# Altium PCB 0.PCB1.PcbDoc (part 1 of 12) (continued)
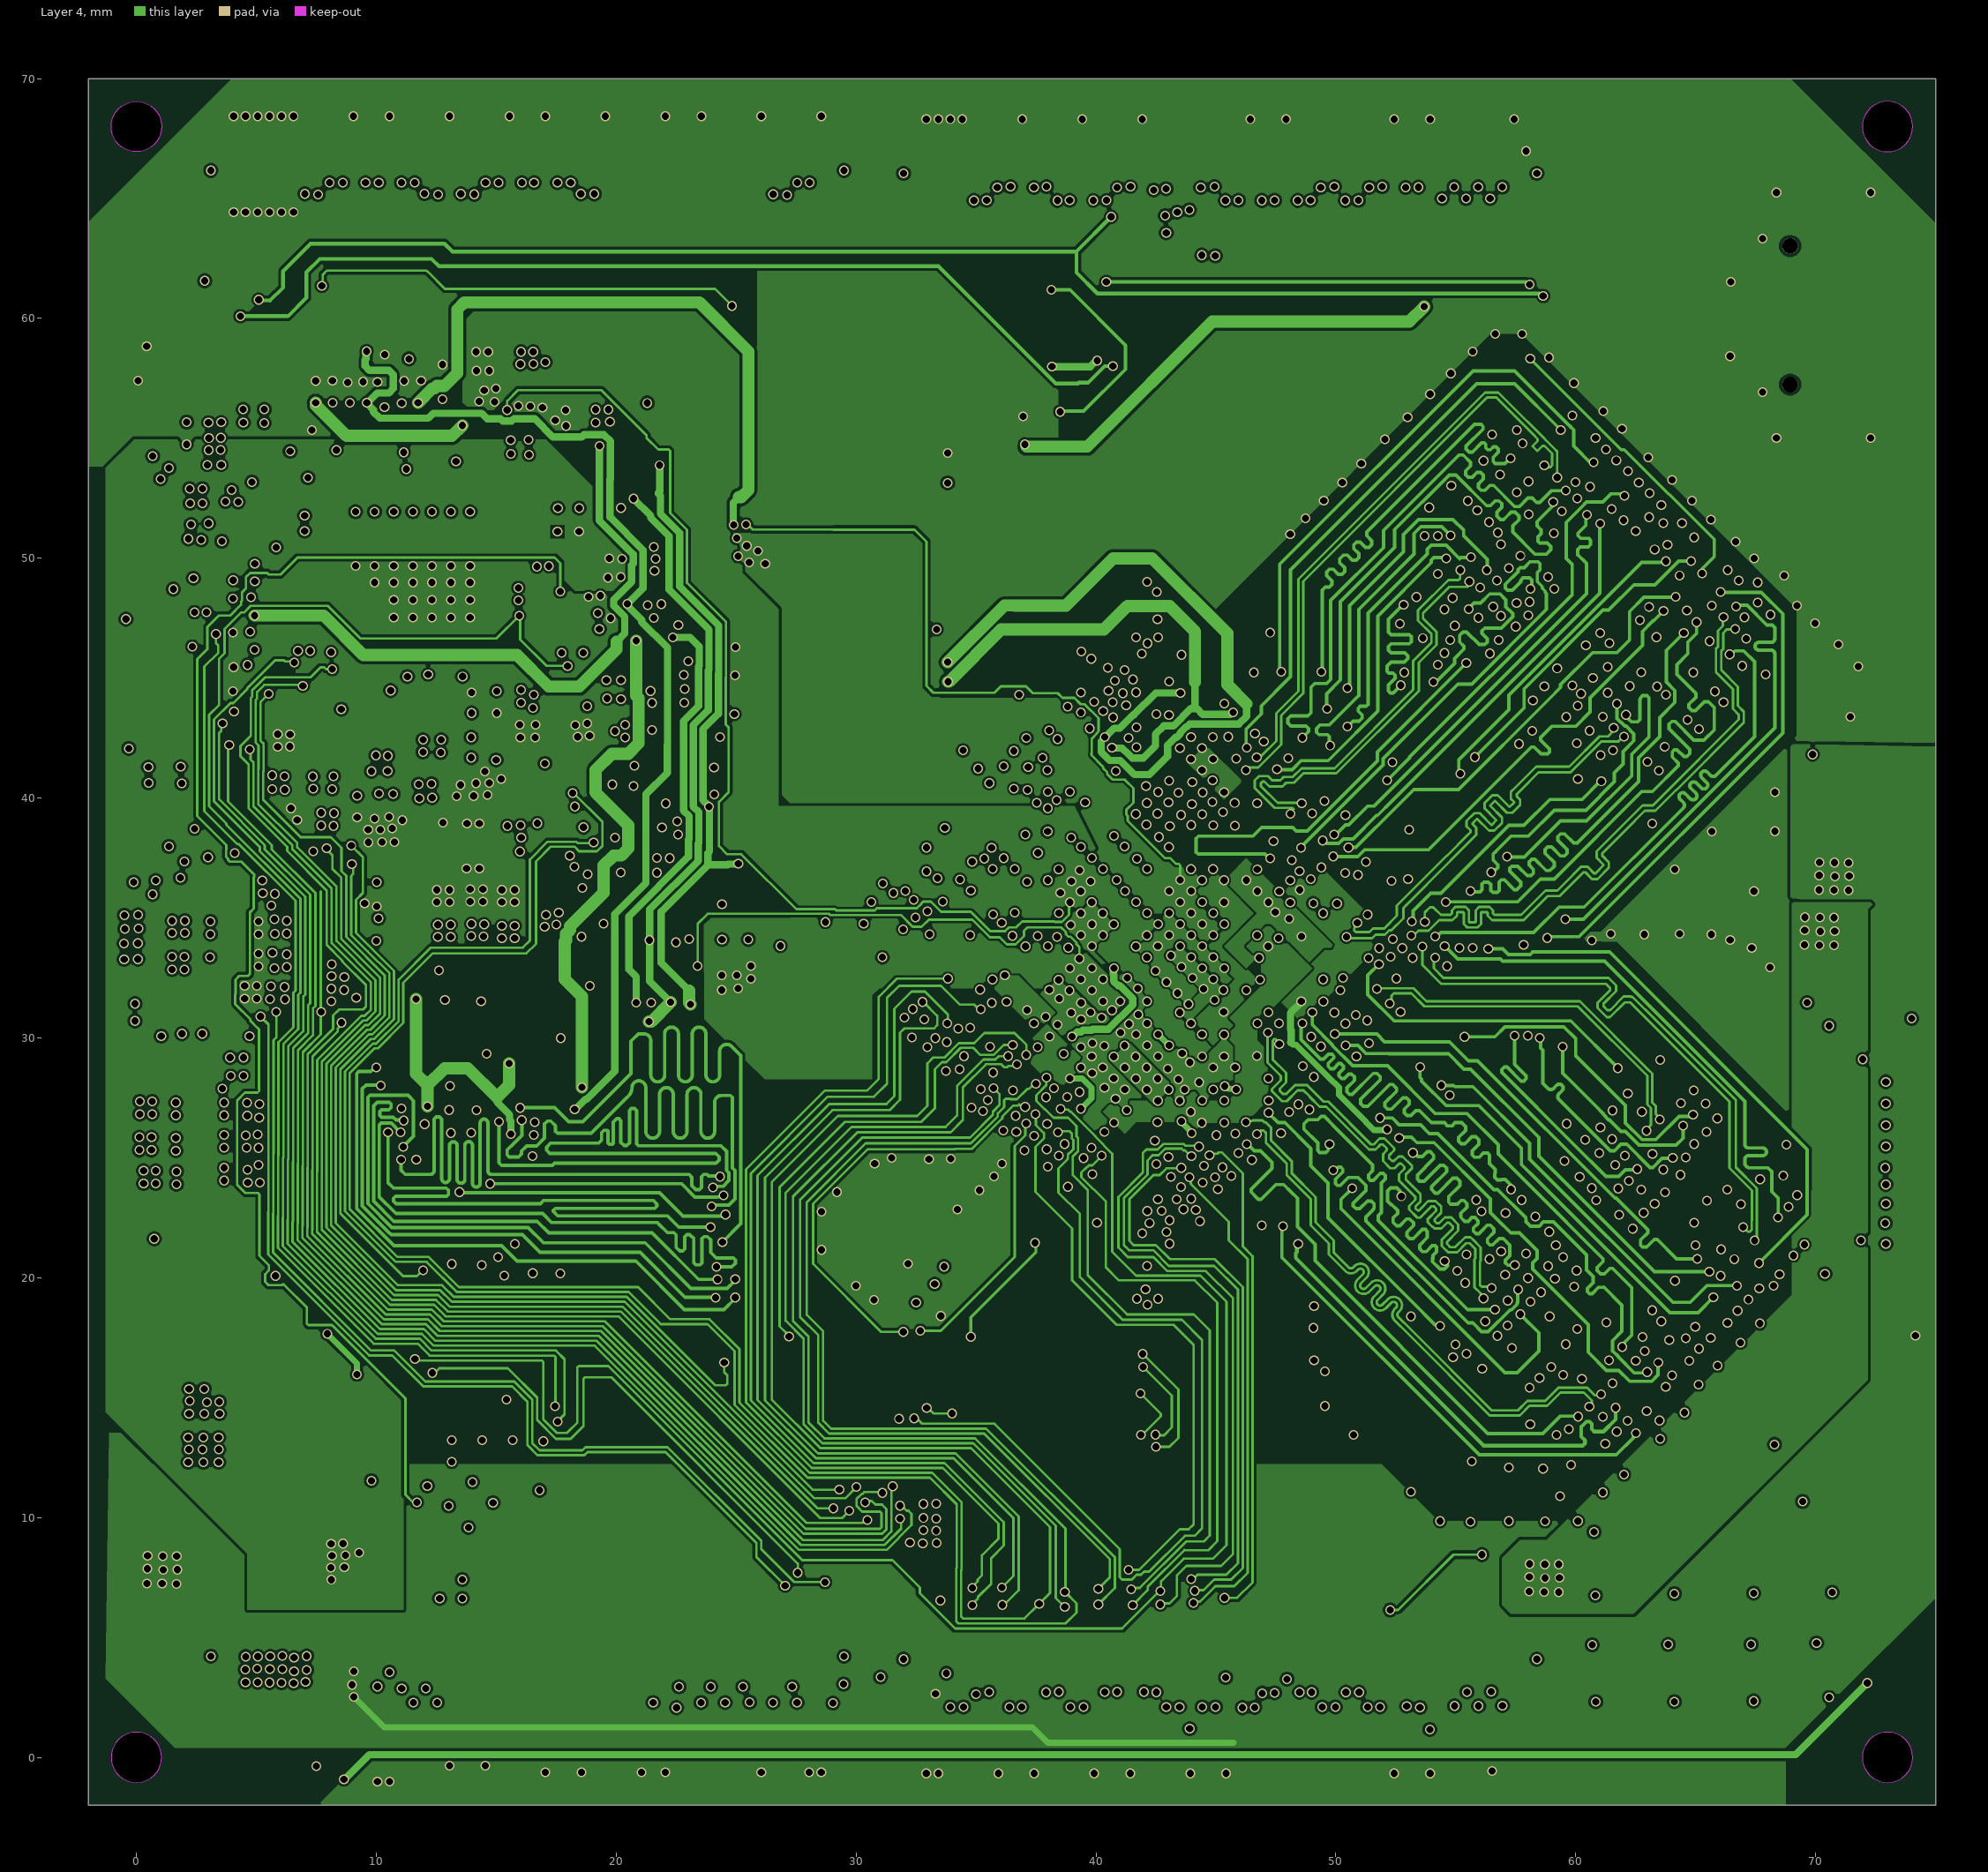
[diagram p4: Layer 4]
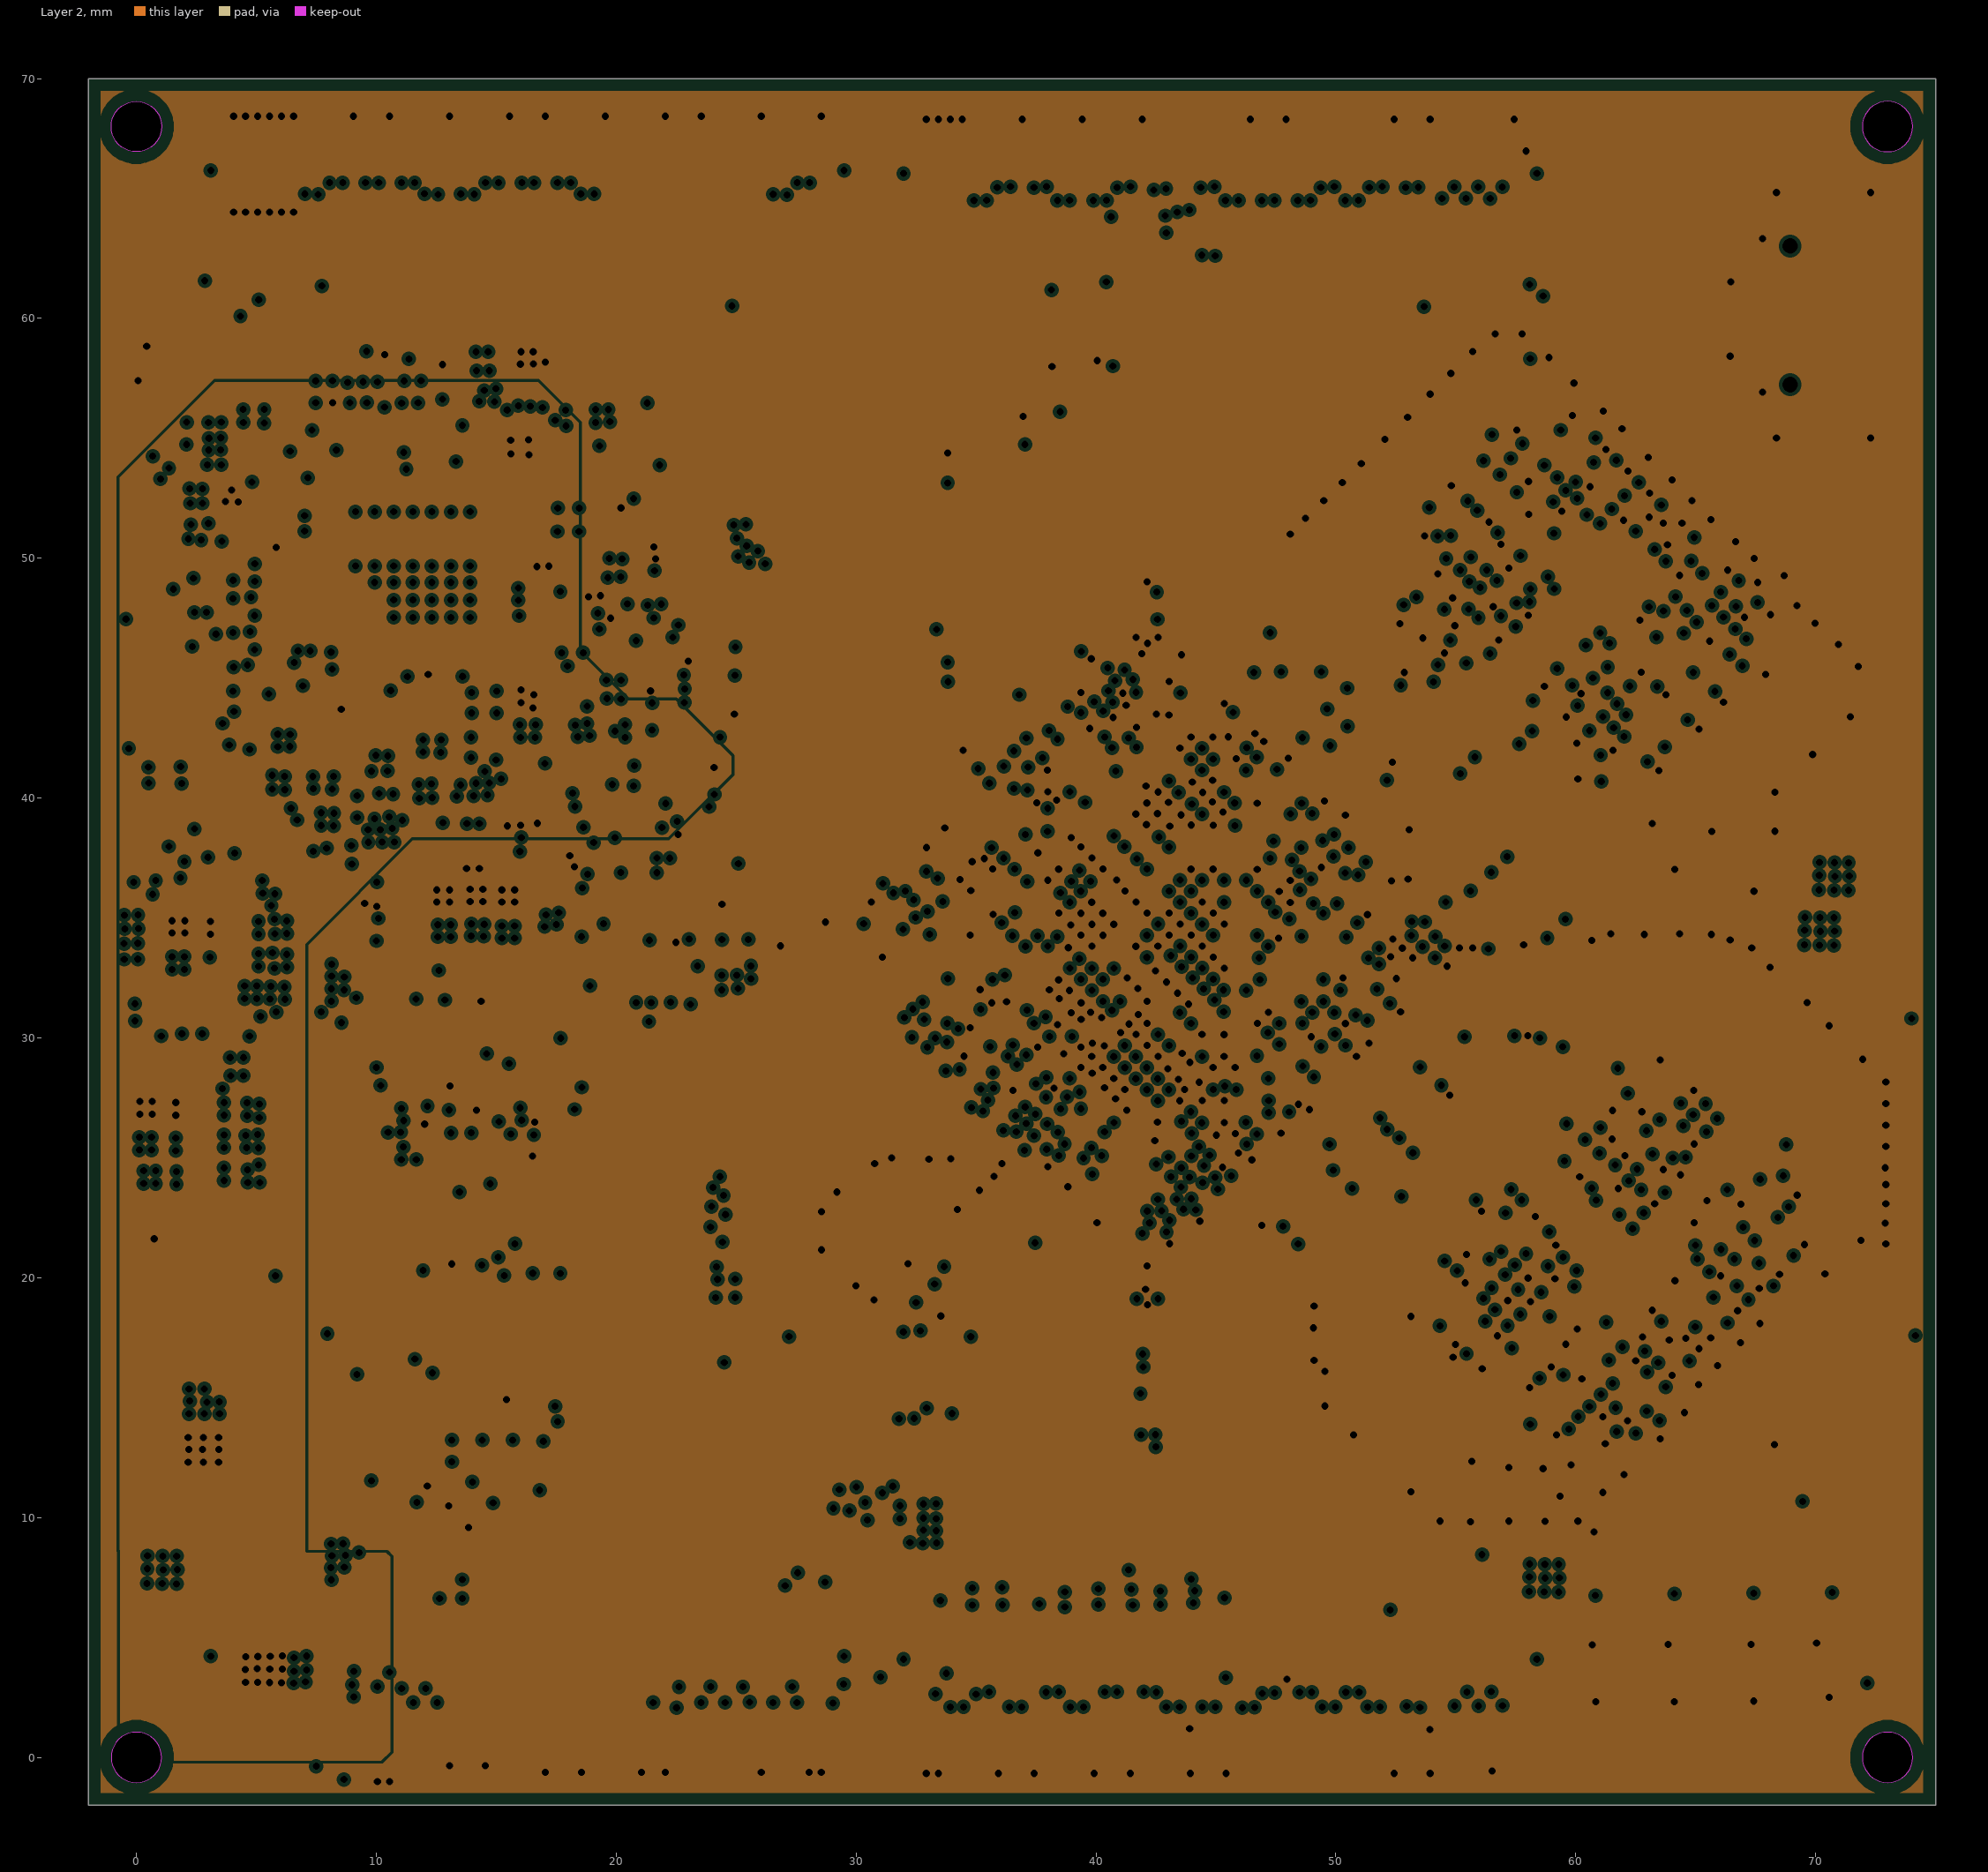
[diagram p5: Layer 2, clearances drawn from the general rule]
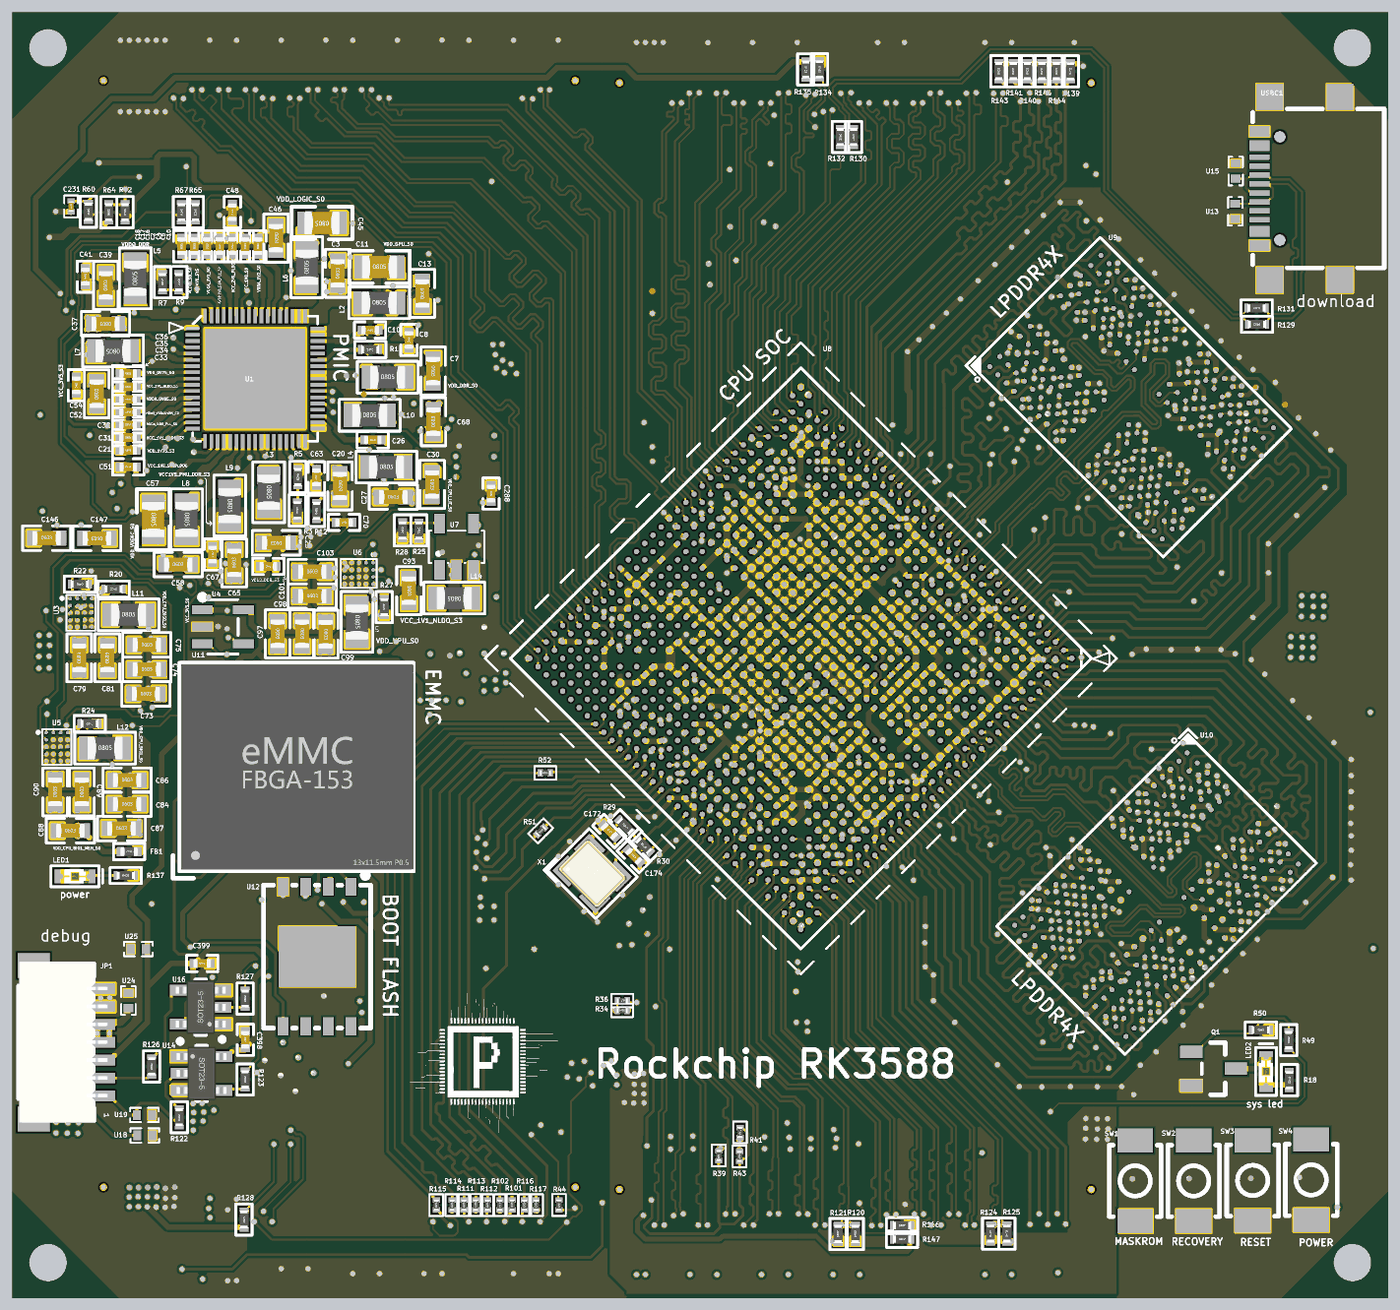
[diagram p17: 3D render of the assembled board from above, using the file's embedded part models]
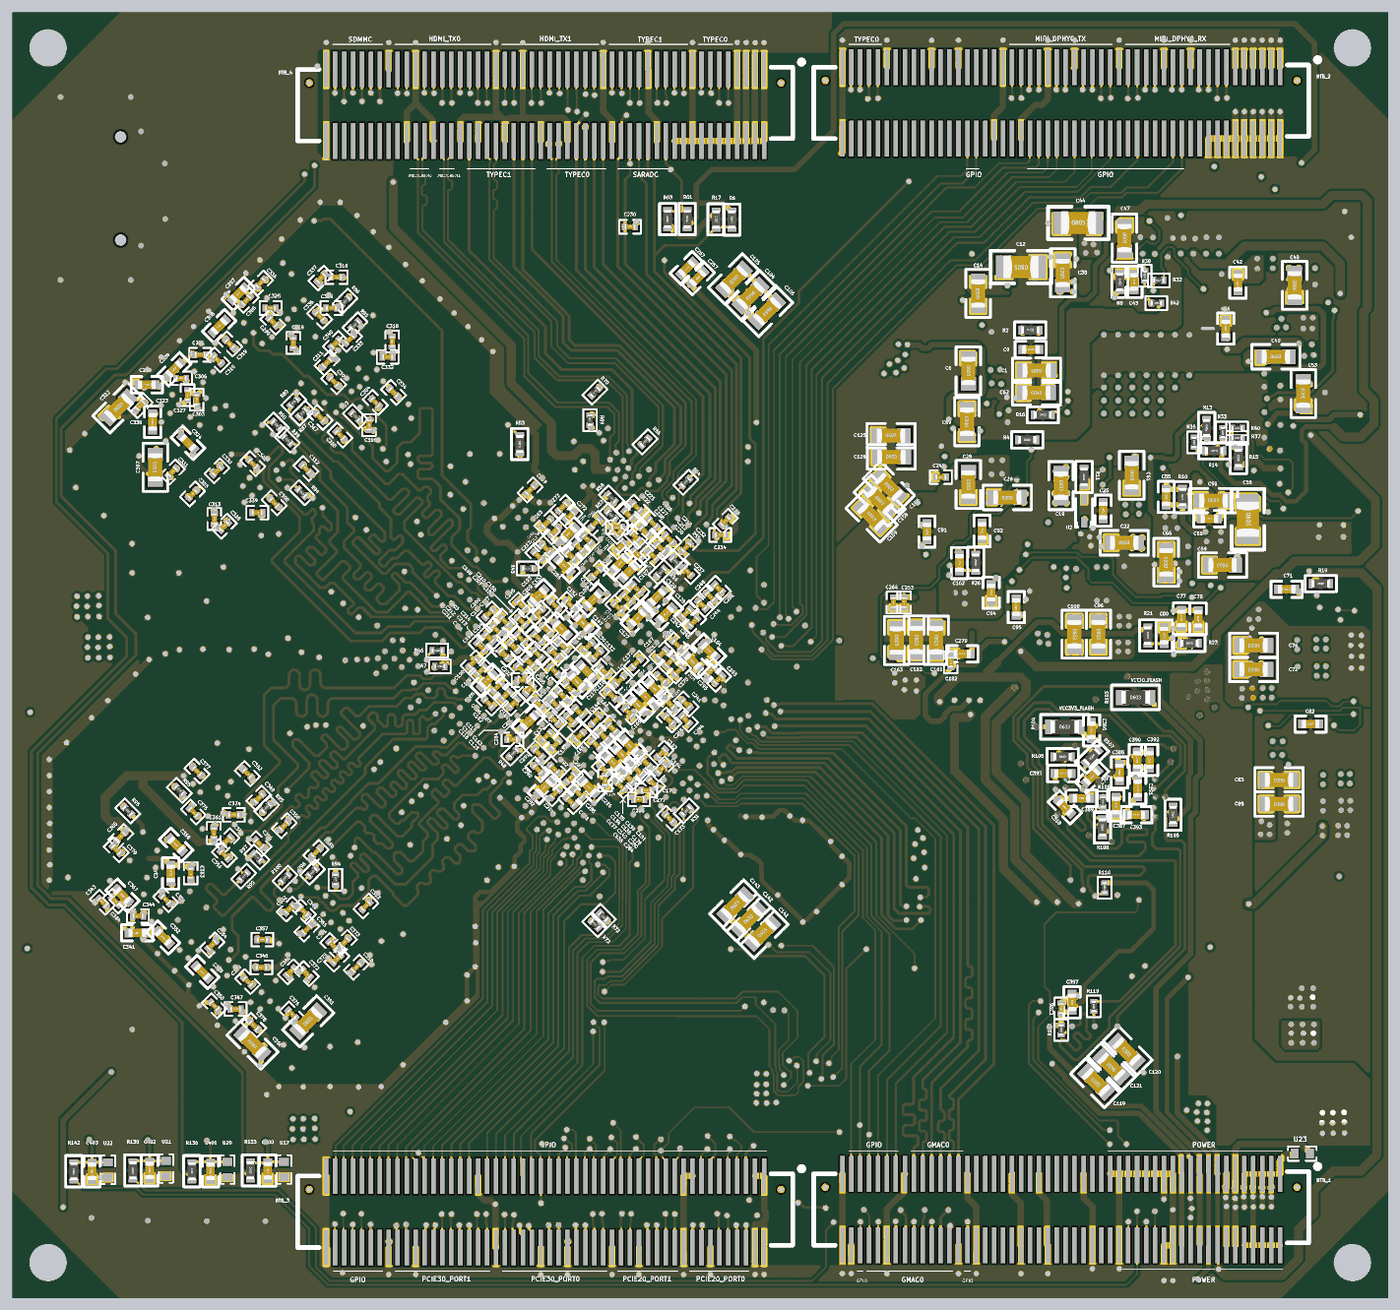
[diagram p18: 3D render of the assembled board from below, using the file's embedded part models]

## Layer stack, top to bottom
Top Solder: solder mask 0.0102, Solder Resist, Dk 3.5
Top Layer: signal copper 0.035
Dielectric 2: prepreg 0.0994, PP-006, Dk 4.1
Layer 1: plane copper 0.0152, net GND
Dielectric 4: core 0.55, PP-006, Dk 4.41
Layer 3: signal copper 0.0152
Dielectric 1: prepreg 0.1088, FR-4, Dk 4.1
Layer 4: signal copper 0.0152
Dielectric 5: core 0.55, PP-006, Dk 4.41
Layer 2: plane copper 0.0152, net (Multiple Nets)
Dielectric 3: prepreg 0.0994, PP-006, Dk 4.1
Bottom Layer: signal copper 0.035
Bottom Solder: solder mask 0.0102, Solder Resist, Dk 3.5

## Board outline
-2,-2 -2,70 75,70 75,-2
cut-out: 0,66.95 cw(c0,68) -1.05,68 cw(c0,68) 0,69.05 cw(c0,68) 1.05,68 cw(c0,68)
cut-out: 71.95,68 ccw(c73,68) 73,66.95 ccw(c73,68) 74.05,68 ccw(c73,68) 73,69.05 ccw(c73,68)
cut-out: 71.95,0 ccw(c73,0) 73,-1.05 ccw(c73,0) 74.05,0 ccw(c73,0) 73,1.05 ccw(c73,0)
cut-out: -1.05,0 ccw(c0,0) 0,-1.05 ccw(c0,0) 1.05,0 ccw(c0,0) 0,1.05 ccw(c0,0)

## Design rules (kind name [scope] priority, off if disabled: settings)
Clearance room_bga [WithinRoom('Room_rk3588') or WithinRoom('Room_ddr1') or WithinRoom('Room_ddr2') or WithinRoom('Room_emmc')] p1: gap=0.091 ignorepadtopadclearanceinfootprint=FALSE
Clearance via_poly [IsVia vs InPoly] p2: gap=0.102 ignorepadtopadclearanceinfootprint=FALSE
Clearance poly [InPoly] p3: gap=0.127 ignorepadtopadclearanceinfootprint=FALSE
Clearance via [IsVia vs IsVia] p4: gap=0.09 ignorepadtopadclearanceinfootprint=FALSE
Clearance Clearance_all [All] p5: gap=0.102 ignorepadtopadclearanceinfootprint=FALSE
DiffPairsRouting "90 ohm" [InDifferentialPairClass('01.DDR_CH0') or InDifferentialPairClass('04.DDR_CH1') or InDifferentialPairClass('21.USB0') or InDifferentialPairClass('22.USB1') or InDifferentialPairClass('19b.typec0_usb2.0') or InDifferentialPairClass('20b.typec1_usb2.0') or InDifferentialPairClass('35.download')] p1: maxlimit=0.152 minlimit=0.102 mostfreqgap=0.102 toplayer_minwidth=0.112 toplayer_maxwidth=0.112 toplayer_prefwidth=0.112 midlayer1_minwidth=0.105 midlayer1_maxwidth=0.105 midlayer1_prefwidth=0.105 midlayer2_minwidth=0.105 midlayer2_maxwidth=0.105 midlayer2_prefwidth=0.105 bottomlayer_minwidth=0.112 bottomlayer_maxwidth=0.112 bottomlayer_prefwidth=0.112 maxuncoupledlength=12.7
DiffPairsRouting "100 ohm" [InDifferentialPairClass('16_HDMI_TX0') or InDifferentialPairClass('17_HDMI_TX1') or InDifferentialPairClass('18_HDMI_RX') or InDifferentialPairClass('28b.PICE2.0 0 clock') or InDifferentialPairClass('29b.PCIE2.0 1 clock') or InDifferentialPairClass('31b.PCIE3.0 0 clock') or InDifferentialPairClass('32b.PCIE3.0 1 clock') or InDifferentialPairClass('28a.PICE2.0 0')] p2: maxlimit=0.356 minlimit=0.152 mostfreqgap=0.178 toplayer_maxgap=0.279 toplayer_prefgap=0.152 toplayer_minwidth=0.109 toplayer_maxwidth=0.109 toplayer_prefwidth=0.109 midlayer1_mingap=0.178 midlayer1_minwidth=0.107 midlayer1_maxwidth=0.107 midlayer1_prefwidth=0.107 midlayer2_mingap=0.178 midlayer2_minwidth=0.107 midlayer2_maxwidth=0.107 midlayer2_prefwidth=0.107 bottomlayer_maxgap=0.279 bottomlayer_prefgap=0.152 bottomlayer_minwidth=0.109 bottomlayer_maxwidth=0.109 bottomlayer_prefwidth=0.109 maxuncoupledlength=12.7
DiffPairsRouting 95ohm [InDifferentialPairClass('19a.typec0_usb3.0') or InDifferentialPairClass('20a.typec1_usb3.0')  or InDifferentialPairClass('10.MIPI_DPHY0_TX') or InDifferentialPairClass('11.MIPI_DPHY1_TX') or InDifferentialPairClass('12.MIPI_DPHY0_RX') or InDifferentialPairClass('13.MIPI_DPHY1_RX') or InDifferentialPairClass('14.MIPI_CSI0') or InDifferentialPairClass('15.MIPI_CSI1')] p3: maxlimit=0.203 minlimit=0.127 mostfreqgap=0.127 toplayer_minwidth=0.112 toplayer_maxwidth=0.112 toplayer_prefwidth=0.112 midlayer1_minwidth=0.104 midlayer1_maxwidth=0.104 midlayer1_prefwidth=0.104 midlayer2_minwidth=0.104 midlayer2_maxwidth=0.104 midlayer2_prefwidth=0.104 bottomlayer_minwidth=0.112 bottomlayer_maxwidth=0.112 bottomlayer_prefwidth=0.112 maxuncoupledlength=12.7
DiffPairsRouting 85ohm [InDifferentialPairClass('29a.PCIE2.0 1') or InDifferentialPairClass('30a.PCIE2.0 2') or InDifferentialPairClass('31a.PCIE3.0 0') or InDifferentialPairClass('32a.PCIE3.0 1')] p4: maxlimit=0.152 minlimit=0.102 mostfreqgap=0.102 toplayer_minwidth=0.131 toplayer_maxwidth=0.131 toplayer_prefwidth=0.131 midlayer1_minwidth=0.122 midlayer1_maxwidth=0.122 midlayer1_prefwidth=0.122 midlayer2_minwidth=0.122 midlayer2_maxwidth=0.122 midlayer2_prefwidth=0.122 bottomlayer_minwidth=0.131 bottomlayer_maxwidth=0.131 bottomlayer_prefwidth=0.131 maxuncoupledlength=12.7
MatchedLengths ddr_diff [InDifferentialPairClass('01.DDR_CH0') or InDifferentialPairClass('04.DDR_CH1')] p1: tolerance=25.4 checknetsindiffpair=TRUE checkdiffpairvsdiffpair=FALSE checkxsignals=FALSE checkothers=FALSE usedelayunits=TRUE delaytolerance=1.000000
MatchedLengths ddr_addr_data [InxSignalClass('01a.ddr1_low_data_a') or InxSignalClass('01b.ddr1_low_data_b') or InxSignalClass('02a.ddr1_high_data_a') or InxSignalClass('02b.ddr1_high_data_b') or InxSignalClass('03a.ddr1_command_a') or InxSignalClass('03b.ddr1_command_b')or InxSignalClass('04a.ddr2_low_data_c') or InxSignalClass('04b.ddr2_low_data_d') or InxSignalClass('05a.ddr2_high_data_c') or InxSignalClass('05b.ddr2_high_data_d') or InxSignalClass('06a.ddr2_command_c') or InxSignalClass('06b.ddr2_command_d')] p2: tolerance=25.4 checknetsindiffpair=FALSE checkdiffpairvsdiffpair=TRUE checkxsignals=TRUE checkothers=TRUE usedelayunits=TRUE delaytolerance=16.000000
MatchedLengths ddr_dqs_clk [InxSignalClass('03c.ddr1_dqs_clk_a') or InxSignalClass('03d.ddr1_dqs_clk_b') or InxSignalClass('06c.ddr2_dqs_clk_c') or InxSignalClass('06d.ddr2_dqs_clk_d')] p3: tolerance=25.4 checknetsindiffpair=FALSE checkdiffpairvsdiffpair=TRUE checkxsignals=TRUE checkothers=TRUE usedelayunits=TRUE delaytolerance=40.000000
PlaneClearance [All] p1: clearance=0.152
PlaneConnect [All] p1: pad.planeconnectstyle=Relief pad.reliefexpansion=0.508 pad.reliefentries=4 pad.reliefconductorwidth=0.254 pad.reliefairgap=0.254 via.planeconnectstyle=Direct via.reliefexpansion=0.508 via.reliefentries=4 via.reliefconductorwidth=0.254 via.reliefairgap=0.254
PolygonConnect [All] p1: thpad.connectstyle=Relief thpad.reliefconductorwidth=0.254 thpad.reliefentries=4 thpad.polygonreliefangle="90 Angle" thpad.airgapwidth=0.254 smdpad.connectstyle=Direct smdpad.reliefconductorwidth=0.5 smdpad.reliefentries=4 smdpad.polygonreliefangle="90 Angle" smdpad.airgapwidth=0.127 via.connectstyle=Direct via.reliefconductorwidth=0.254 via.reliefentries=4 via.polygonreliefangle="90 Angle" via.airgapwidth=0.254
RoomDefinition Room_ddr1 [All] p1: confinementstyle=ConfineOut formatcopy=TRUE lockcomponents=FALSE outline 58.897,57.402 58.897,57.376 69.59,46.683 62.427,39.52 51.734,50.214
RoomDefinition Room_pmic4 [False] p2: confinementstyle=ConfineIn formatcopy=TRUE lockcomponents=FALSE outline 18.469,39.463 18.469,37.685 16.284,37.685 16.284,39.463
RoomDefinition Room_pmic3 [False] p3: confinementstyle=ConfineIn formatcopy=TRUE lockcomponents=FALSE outline -0.438,29.944 1.34,29.944 1.34,27.76 -0.438,27.76
RoomDefinition Room_pmic2 [False] p4: confinementstyle=ConfineIn formatcopy=TRUE lockcomponents=FALSE outline 0.958,37.449 2.711,37.449 2.711,35.29 0.958,35.29
RoomDefinition Room_pmic1 [False] p5: confinementstyle=ConfineIn formatcopy=TRUE lockcomponents=FALSE outline 6.993,54.086 16.112,54.086 16.112,44.866 6.993,44.866
RoomDefinition Room_emmc [False] p6: confinementstyle=ConfineIn formatcopy=TRUE lockcomponents=FALSE outline 7.363,33.603 20.419,33.603 20.419,21.893 7.363,21.893
RoomDefinition Room_rk3588 [All] p7: confinementstyle=ConfineOut formatcopy=TRUE lockcomponents=FALSE outline 42.133,50.087 58.389,33.831 58.389,33.805 58.363,33.805 42.133,17.575 25.877,33.831
RoomDefinition Room_ddr2 [All] p8: confinementstyle=ConfineOut formatcopy=TRUE lockcomponents=FALSE outline 63.824,29.538 70.987,22.375 70.987,22.324 70.936,22.324 60.268,11.656 53.106,18.819
RoutingVias [All] p1: holewidth=0.3 width=0.41 viastyle="Through Hole" minholewidth=0.3 minwidth=0.41 maxholewidth=0.9 maxwidth=1
SolderMaskExpansion [All] p1: expansion=0.102 istentingtop=FALSE
Width lpddr4x [InNetClass('01.ddr1_low_data') or InNetClass('02.ddr1_high_data') or InNetClass('03.ddr1_other') or InNetClass('04.ddr2_low_data') or InNetClass('05.ddr2_high_data') or InNetClass('06.ddr2_other')] p1: maxlimit=0.156 minlimit=0.142 preferedwidth=0.156 toplayer_minwidth=0.156 midlayer1_maxwidth=0.142 midlayer1_prefwidth=0.142 midlayer2_maxwidth=0.142 midlayer2_prefwidth=0.142 bottomlayer_minwidth=0.156 minimp=50.000000 maximp=50.000000 favimp=50.000000
Width power_pmic [(WithinRoom('Room_pmic1') or WithinRoom('Room_pmic2') or WithinRoom('Room_pmic3') or WithinRoom('Room_pmic4')) and InNetClass('33.POWER')] p2: maxlimit=0.508 minlimit=0.102 preferedwidth=0.203 minimp=50.000000 maximp=50.000000 favimp=50.000000
Width power_rk3588 [WithinRoom('Room_rk3588') and InNetClass('33.POWER')] p3: maxlimit=0.508 minlimit=0.102 preferedwidth=0.203 minimp=50.000000 maximp=50.000000 favimp=50.000000
Width power [InNetClass('33.POWER')] p4: maxlimit=0.508 minlimit=0.102 preferedwidth=0.305 minimp=50.000000 maximp=50.000000 favimp=50.000000
Width other_50ohm [InNetClass('08.EMMC') or InNetClass('09.SDMMC') or InNetClass('10.MIPI_DPHY0_TX') or InNetClass('11.MIPI_DPHY1_TX') or InNetClass('12.MIPI_DPHY0_RX') or InNetClass('13.MIPI_DPHY1_RX') or InNetClass('14.MIPI_CSI0') or InNetClass('15.MIPI_CSI1') or InNetClass('16.HDMI_TX0') or InNetClass('17.HDMI_TX1') or InNetClass('18.HDMI_RX') or InNetClass('19.typec0') or InNetClass('20.typec1') or InNetClass('21.USB0') or InNetClass('22.USB1')or InNetClass('23.GMAC0') or InNetClass('24.GMAC1') or InNetClass('36.FSPI')] p5: maxlimit=0.156 minlimit=0.142 preferedwidth=0.156 toplayer_minwidth=0.156 midlayer1_maxwidth=0.142 midlayer1_prefwidth=0.142 midlayer2_maxwidth=0.142 midlayer2_prefwidth=0.142 bottomlayer_minwidth=0.156 minimp=50.000000 maximp=50.000000 favimp=50.000000
Width other [All] p6: maxlimit=0.508 minlimit=0.102 preferedwidth=0.156 midlayer1_prefwidth=0.142 midlayer2_prefwidth=0.142 minimp=50.000000 maximp=50.000000 favimp=50.000000
27 further rules are at their usual default settings.

## Classes and differential pairs
differential pair class 35.download: "35 01.download_typec" "35 02.typec0_usb20_OTG_R" "35 03.TYPEC0_USB20_OTG"
net class 36.FSPI: FSPI_CLK_M0 FSPI_CLK_M0_R FSPI_CS0N_M0 FSPI_D0_M0 FSPI_D1_M0 FSPI_D2_M0 FSPI_D3_M0
differential pair class 20b.typec1_usb2.0: "20 05.TYPEC1_USB20_OTG"
differential pair class 19b.typec0_usb2.0: "19 05.TYPEC0_USB20_OTG" "19 06.typec0_usb20_OTG_R" "19 07.typec_download"
net class 20b.typec1_usb2.0: TYPEC1_USB20_OTG_DM TYPEC1_USB20_OTG_DP
net class 19b.typec0_usb2.0: TYPEC0_USB20_OTG_DM TYPEC0_USB20_OTG_DM_R TYPEC0_USB20_OTG_DP TYPEC0_USB20_OTG_DP_R
net class 35.download: TYPEC0_USB20_OTG_DM TYPEC0_USB20_OTG_DM_R TYPEC0_USB20_OTG_DP TYPEC0_USB20_OTG_DP_R typec_dn typec_dp
differential pair class "32b.PCIE3.0 1 clock": "32 01.PCIE30_PORT1_REF_CLK"
differential pair class "31b.PCIE3.0 0 clock": "31 01.PCIE30_PORT0_REF_CLK"
differential pair class "29b.PCIE2.0 1 clock": "29 01.PCIE20_1_REFCLK"
differential pair class "28b.PICE2.0 0 clock": "28 01.PCIE20_0_REFCLK"
net class "32b.PCIE3.0 1 clock": PCIE30_PORT1_REF_CLKN PCIE30_PORT1_REF_CLKP
net class "31b.PCIE3.0 0 clock": PCIE30_PORT0_REF_CLKN PCIE30_PORT0_REF_CLKP
net class "29b.PCIE2.0 1 clock": PCIE20_1_REFCLKN PCIE20_1_REFCLKP
net class "28b.PCIE2.0 0 clock": PCIE20_0_REFCLKN PCIE20_0_REFCLKP
net class 06d.ddr2_dqs_clk_d: DDR_CH1_CLKN_D DDR_CH1_CLKP_D DDR_CH1_DQS0N_D DDR_CH1_DQS0P_D DDR_CH1_DQS1N_D DDR_CH1_DQS1P_D
net class 06c.ddr2_dqs_clk_c: DDR_CH1_CLKN_C DDR_CH1_CLKP_C DDR_CH1_DQS0N_C DDR_CH1_DQS0P_C DDR_CH1_DQS1N_C DDR_CH1_DQS1P_C
net class 03d.ddr1_dqs_clk_b: DDR_CH0_CLKN_B DDR_CH0_CLKP_B DDR_CH0_DQS0N_B DDR_CH0_DQS0P_B DDR_CH0_DQS1N_B DDR_CH0_DQS1P_B
net class 03c.ddr1_dqs_clk_a: DDR_CH0_CLKN_A DDR_CH0_CLKP_A DDR_CH0_DQS0N_A DDR_CH0_DQS0P_A DDR_CH0_DQS1N_A DDR_CH0_DQS1P_A
net class 34.GPIO: GMAC0_MDC GMAC0_MDC_R GMAC0_MDIO GMAC0_MDIO_R GPIO0_A0 GPIO0_B2 GPIO0_B7 GPIO0_C6 GPIO0_C7 GPIO0_D3 GPIO1_A2 GPIO1_A4 GPIO1_A7 GPIO1_B0 GPIO1_B1 GPIO1_C0 GPIO1_C1 GPIO1_C4 GPIO1_C6 GPIO1_D3 GPIO1_D5 GPIO2_C5 GPIO3_A6 GPIO3_B2 GPIO3_C0 GPIO3_D5 GPIO4_A3 GPIO4_B1 GPIO4_C6 HDMI_TX0_CEC_M0 HDMI_TX0_HPD_M0 HDMI_TX0_SCL_M0 HDMI_TX0_SDA_M0 HDMI_TX1_CEC_M0 HDMI_TX1_HPD_M0 HDMI_TX1_SCL_M0 HDMI_TX1_SDA_M0 I2C0_SCL_M2 I2C0_SDA_M2 I2C1_SCL_M2 I2C1_SDA_M2 I2C2_SCL_M4 I2C2_SDA_M4 I2C5_SCL_M3 I2C5_SDA_M3 I2C7_SCL_M0 I2C7_SDA_M0 I2C8_SCL_M2 I2C8_SDA_M2 I2S0_LRCK I2S0_MCLK I2S0_SCLK I2S0_SDI0 I2S0_SDO0 PCIE30X1_0_CLKREQN_M0 PCIE30X1_0_PERSTN_M0 PCIE30X1_0_WAKEN_M0 PCIE30X2_CLKREQN_M1 PCIE30X2_PERSTN_M1 PCIE30X2_WAKEN_M1 PCIE30X4_CLKREQN_M1 PCIE30X4_PERSTN_M1 PCIE30X4_WAKEN_M1 SARADC_IN0_BOOT SARADC_IN2 SARADC_IN3 SARADC_IN4 SDMMC_DET TYPEC0_SBU1 TYPEC0_SBU2 TYPEC0_USB20_OTG_ID TYPEC0_USB20_VBUSDET TYPEC1_SBU1 TYPEC1_SBU2 TYPEC1_USB20_OTG_ID TYPEC1_USB20_VBUSDET UART2_RX UART2_RX_M0_DEBUG UART2_TX UART2_TX_M0_DEBUG UART4_RX_M2 UART4_TX_M2 UART7_RX_M2 UART7_TX_M2
net class 06b.ddr2_command_d: DDR_CH1_A0_D DDR_CH1_A1_D DDR_CH1_A2_D DDR_CH1_A3_D DDR_CH1_A4_D DDR_CH1_A5_D DDR_CH1_CLKN_D DDR_CH1_CLKP_D DDR_CH1_LP4/4X_CKE0_D DDR_CH1_LP4/4X_CKE1_D DDR_CH1_LP4/4X_CS0_D DDR_CH1_LP4/4X_CS1_D
net class 03b.ddr1_command_b: DDR_CH0_A0_B DDR_CH0_A1_B DDR_CH0_A2_B DDR_CH0_A3_B DDR_CH0_A4_B DDR_CH0_A5_B DDR_CH0_CLKN_B DDR_CH0_CLKP_B DDR_CH0_LP4/4X_CKE0_B DDR_CH0_LP4/4X_CKE1_B DDR_CH0_LP4/4X_CS0_B DDR_CH0_LP4/4X_CS1_B
net class 05b.ddr2_high_data_d: DDR_CH1_DM1_D DDR_CH1_DQ8_D DDR_CH1_DQ9_D DDR_CH1_DQ10_D DDR_CH1_DQ11_D DDR_CH1_DQ12_D DDR_CH1_DQ13_D DDR_CH1_DQ14_D DDR_CH1_DQ15_D DDR_CH1_DQS1N_D DDR_CH1_DQS1P_D
net class 04b.ddr2_low_data_d: DDR_CH1_DM0_D DDR_CH1_DQ0_D DDR_CH1_DQ1_D DDR_CH1_DQ2_D DDR_CH1_DQ3_D DDR_CH1_DQ4_D DDR_CH1_DQ5_D DDR_CH1_DQ6_D DDR_CH1_DQ7_D DDR_CH1_DQS0N_D DDR_CH1_DQS0P_D